# KiCad board launch.kicad_pcb (continued)
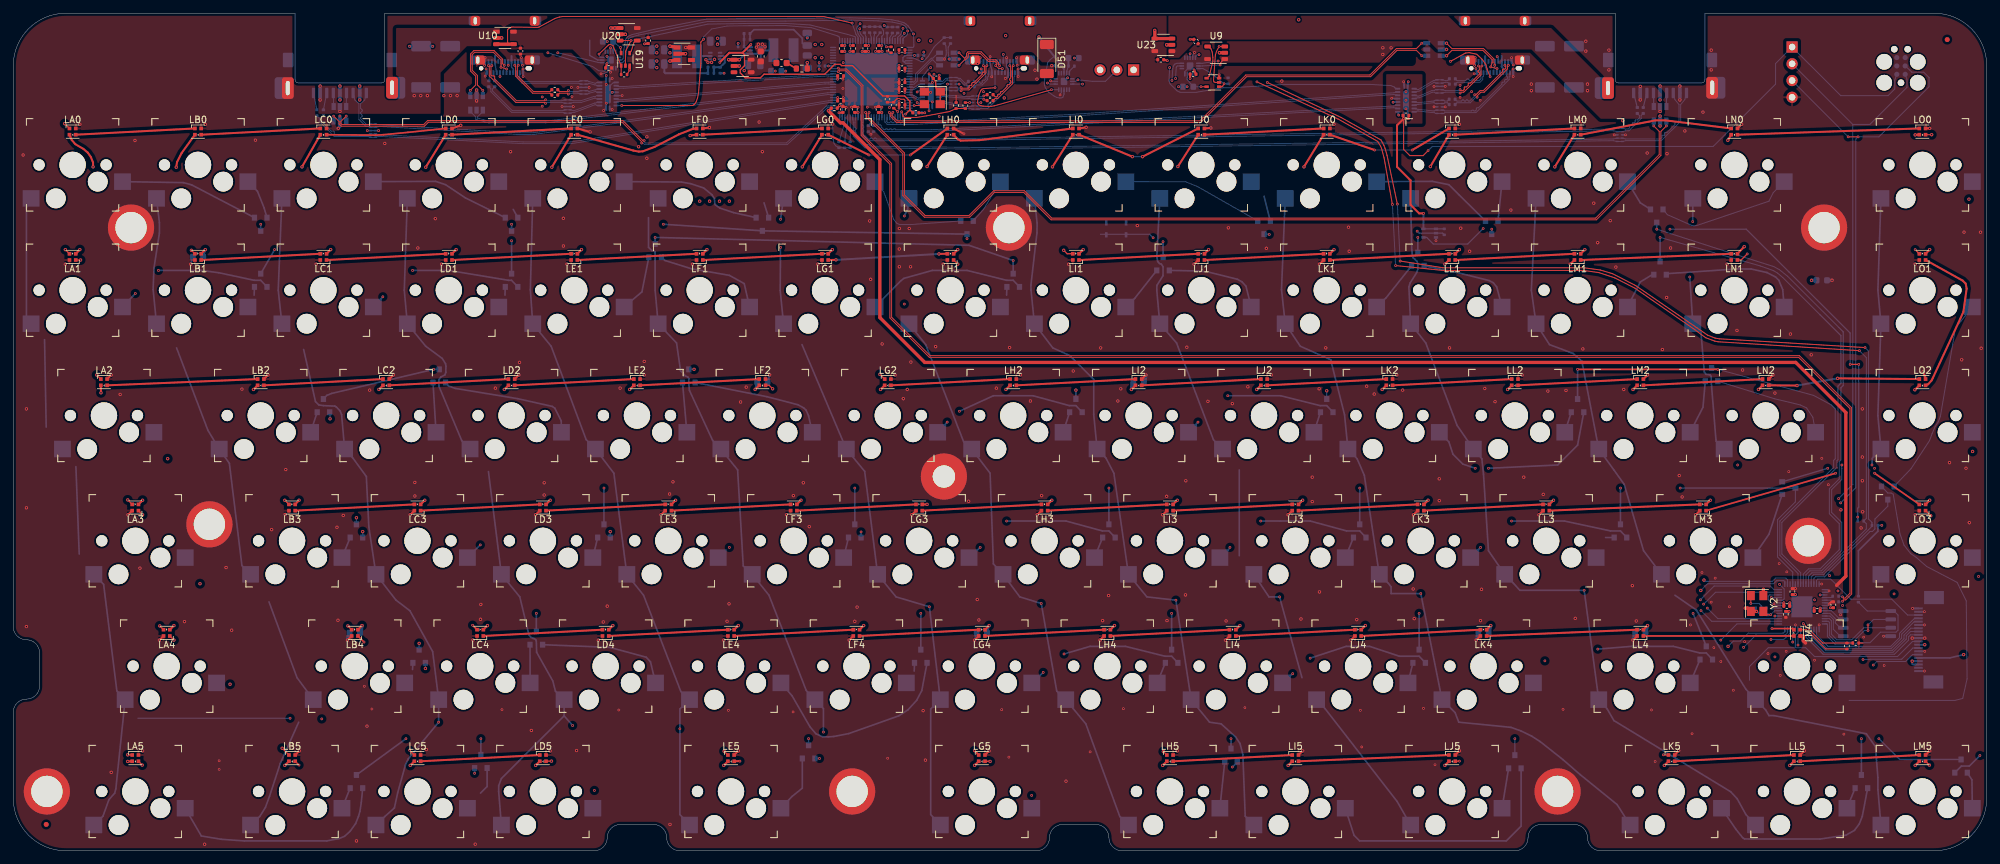
[diagram p0: board, top side]
## Placement (name value [footprint] x y rotation side) (continued)
U24  W25Q16JVSSIQ  [SOIC-8_5.23x5.23mm_P1.27mm]  280.85 34.45 180 bottom
X1  ECS-3225MV-250-BN-TR  [Oscillator_SMD_SeikoEpson_SG8002CE-4Pin_3.2x2.5mm]  139.25 114.15 180 top
Y2  RH100-12.000-18-2030-TR  [Oscillator_SMD_SeikoEpson_SG8002CE-4Pin_3.2x2.5mm]  264.2 37.5 270 top

## Library data of the parts
C1-C3 C5-C24 C28-C31 C36-C43 C51-C58 C63 C74 C75 = -: Description: Unpolarized capacitor; Manufacturer: Generic X7R capacitor
C4 C25-C27 C32-C35 C48-C50 C59-C62 C64-C67 C72 C73 C76 = -: Description: Unpolarized capacitor; Manufacturer: Generic X5R capacitor
C44-C47 = -: Description: Polarized capacitor; Manufacturer: United Chemi-Con
C68-C71 = -: Description: Unpolarized capacitor; Manufacturer: Generic NP0 capacitor
D1-D8 = -: Description: Quad ESD diode Nexperia PUSB3FR4Z; Manufacturer: Nexperia
D9-D50 = -: Description: Dual diode, common cathode on pin 3; Manufacturer: Nexperia
D51 = -: Description: Schottky diode
FID1-FID4 = -: Description: Fiducial Marker
H1-H9 = -: Description: Mounting Hole with connection
J0 J4 J5 = -: Description: USB Full-Featured Type-C Receptacle connector; Manufacturer: Amphenol ICC
J1 = -: Description: Tag-Connect ARM Cortex SWD JTAG connector, 6 pin
J2 J3 = -: Description: USB 3.0 A connector; Manufacturer: CNC Tech
J6 = -: Description: Generic connector, single row, 01x04, script generated (kicad-library-utils/schlib/autogen/connector/)
J7 = -: Description: Generic connectable mounting pin connector, single row, 01x20, script generated (kicad-library-utils/schlib/autogen/connector/); Manufacturer: Jushou
L1 L2 = -: Description: Inductor; Manufacturer: Bourns
LA0-LA5 LB0-LB5 LC0-LC5 LD0-LD5 LE0-LE5 LF0-LF4 LG0-LG5 LH0-LH5 LI0-LI5 LJ0-LJ5 LK0-LK5 LL0-LL5 LM0-LM5 LN0-LN2 LO0-LO3 = -: Description: RGB LED with integrated controller
LOGO1 = -: Description: Mounting Hole without connection
R1 R2 R4-R23 R25-R34 R36-R39 = -: Description: Resistor; Manufacturer: Generic 1% resistor
R3 = -: Description: Resistor; Manufacturer: Generic 5% resistor
SW1 = -: Description: MEC 5E single pole normally-open tactile switch; Manufacturer: G-Switch
SWA0-SWA5 SWB0-SWB5 SWC0-SWC5 SWD0-SWD5 SWE0-SWE5 SWF0-SWF5 SWG0-SWG5 SWH0-SWH5 SWI0-SWI5 SWJ0-SWJ5 SWK0-SWK5 SWL0-SWL5 SWM0-SWM5 SWN0-SWN5 = -: Description: Push button switch, generic, two pins; Manufacturer: Kailh
TP1 = -: Description: Generic connector, single row, 01x03, script generated (kicad-library-utils/schlib/autogen/connector/)
U0 U5 U7 U8 U21 = -: Description: Very low capacitance ESD protection diode, 2 data-line, SOT-23-6; Manufacturer: ST
U1 = -: Description: A microcontroller by Raspberry Pi; Manufacturer: Raspberry Pi
U2 = -: Description: USB 3.1 Gen 2 6 port hub; Manufacturer: Microchip
U3 U6 U15 = -: Description: USB Mux; Manufacturer: NXP
U4 U17 = -: Description: TLV62585 buck regulator 5.5 V 3 A
U9 U10 U16 U20 U23 = -: Description: USB power switch, active high enable, 2A; Manufacturer: Diodes Inc.
U11-U13 = -: Description: PTN5110DHQ USB TCPC; Manufacturer: NXP
U14 U19 U22 = -: Description: AND gate, 2 input single; Manufacturer: Texas Instruments
U18 = -: Description: 250-mA Ultra-Low-Noise Low-IQ LDO, 3.3V, SOT-23; Manufacturer: Texas Instruments
U24 = -: Description: SPI flash, SO-8W, 16 Mb, 3.3 V; Manufacturer: Winbond
X1 = -: Description: HCMOS Crystal Clock Oscillator, 2.5x2.0 mm SMD; Manufacturer: ECS
Y2 = -: Description: Four pin crystal, GND on pins 2 and 4; Manufacturer: Raltron

## Footprints (pads in the part's own frame, mm; a bottom-side part is the same pattern mirrored in y, then rotated)
AFC07-S20FCC-00
  rect 0.3x1.3 smd: 1(-4.75,1.85) 2(-4.25,1.85) 3(-3.75,1.85) 4(-3.25,1.85) 5(-2.75,1.85) 6(-2.25,1.85) 7(-1.75,1.85) 8(-1.25,1.85) 9(-0.75,1.85) 10(-0.25,1.85) 11(0.25,1.85) 12(0.75,1.85) 13(1.25,1.85) 14(1.75,1.85) 15(2.25,1.85) 16(2.75,1.85) 17(3.25,1.85) 18(3.75,1.85) 19(4.25,1.85) 20(4.75,1.85)
  rect 2x3 smd: MP(-6.4,-0.5) MP(6.4,-0.4)
C_0402_1005Metric
  rrect 0.45x0.5 smd: 1(-0.45,0) 2(0.45,0)
C_0603_1608Metric
  rrect 0.9x0.95 smd: 1(-0.775,0) 2(0.775,0)
C_0805_2012Metric
  rrect 0.975x1.4 smd: 1(-0.938,0) 2(0.938,0)
C_0805_2012Metric#2
  rrect 1x1.45 smd: 1(-0.95,0) 2(0.95,0)
CP_Elec_5x3.9
  rrect 3x1.6 smd: 1(-2.2,0) 2(2.2,0)
D_SOD-128
  rrect 1.4x2.1 smd: 1(-2.2,0) 2(2.2,0)
DFN-10_1x2.5mm_P0.5mm
  rrect 0.475x0.2 smd: 1(-0.388,1) 2(-0.388,0.5) 3(-0.388,0) 4(-0.388,-0.5) 5(-0.388,-1) 6(0.388,-1) 7(0.388,-0.5) 8(0.388,0) 9(0.388,0.5) 10(0.388,1)
Fiducial_0.75mm_Mask1.5mm
  round 0.75 smd: (0,0)
GT-TC025D-H0065
  rect 0.4x0.8 smd: 1(-1.5,0.9) 2(1.5,0.9) 3(1.5,-0.9) 4(-1.5,-0.9)
Kailh_socket_MX
  round 1.702 hole 1.702 unplated: (-5.08,0) (5.08,0)
  round 3 hole 3 unplated: (-3.81,-2.54) (2.54,-5.08)
  round 3.988 hole 3.988 unplated: (0,0)
  rect 2.55x2.5 smd: 1(6.29,-5.08) 2(-7.56,-2.54)
L_Bourns-SRN4018
  rect 1.5x3.6 smd: 1(-1.525,0) 2(1.525,0)
LED_SK6805-EC15
  rect 0.55x0.55 smd: 1(-0.475,0.475) 2(-0.475,-0.475) 3(0.475,-0.475) 4(0.475,0.475)
MountingHole
  round 7 hole 4.75: 1(0,0)
MountingHole#2
  round 7 hole 3.4: 1(0,0)
Oscillator_SMD_SeikoEpson_SG8002CE-4Pin_3.2x2.5mm
  rect 1.4x1.2 smd: 1(-1.2,-0.95) 2(1.2,-0.95) 3(1.2,0.95) 4(-1.2,0.95)
PinHeader_1x03_P2.54mm_Vertical
  rect 1.7x1.7 hole 1: 1(0,0)
  oval 1.7x1.7 hole 1: 2(0,-2.54) 3(0,-5.08)
PinHeader_1x04_P2.54mm_Vertical
  rect 1.7x1.7 hole 1: 1(0,0)
  oval 1.7x1.7 hole 1: 2(0,-2.54) 3(0,-5.08) 4(0,-7.62)
QFN-16-1EP_2.6x2.6mm_P0.4mm_EP1.1x1mm
  rrect 0.7x0.23 smd: 1(-1.25,0.8) 2(-1.25,0.4) 3(-1.25,0) 4(-1.25,-0.4) 5(-1.25,-0.8) 9(1.25,-0.8) 10(1.25,-0.4) 11(1.25,0) 12(1.25,0.4) 13(1.25,0.8)
  rrect 0.23x0.7 smd: 6(-0.4,-1.25) 7(0,-1.25) 8(0.4,-1.25) 14(0.4,1.25) 15(0,1.25) 16(-0.4,1.25)
  rrect 1.1x1 smd: 17(0,0)
QFN-20-1EP_2.5x4.5mm_P0.5mm_EP1x3mm
  rrect 0.4x0.65 smd: (0,-0.525) (0,0.525)
  rrect 0.29x0.8 smd: 1(-0.25,2.15) 10(-0.25,-2.15) 11(0.25,-2.15) 20(0.25,2.15)
  rrect 0.8x0.29 smd: 2(-1.25,1.75) 3(-1.25,1.25) 4(-1.25,0.75) 5(-1.25,0.25) 6(-1.25,-0.25) 7(-1.25,-0.75) 8(-1.25,-1.25) 9(-1.25,-1.75) 12(1.25,-1.75) 13(1.25,-1.25) 14(1.25,-0.75) 15(1.25,-0.25) 16(1.25,0.25) 17(1.25,0.75) 18(1.25,1.25) 19(1.25,1.75)
  rrect 0.9x2.9 smd: 21(0,0)
QFN-56-1EP_7x7mm_P0.4mm_EP3.2x3.2mm
  rrect 1.29x1.29 smd: (-0.8,-0.8) (-0.8,0.8) (0.8,-0.8) (0.8,0.8)
  rrect 0.875x0.2 smd: 1(-3.438,2.6) 2(-3.438,2.2) 3(-3.438,1.8) 4(-3.438,1.4) 5(-3.438,1) 6(-3.438,0.6) 7(-3.438,0.2) 8(-3.438,-0.2) 9(-3.438,-0.6) 10(-3.438,-1) 11(-3.438,-1.4) 12(-3.438,-1.8) 13(-3.438,-2.2) 14(-3.438,-2.6) 29(3.438,-2.6) 30(3.438,-2.2) 31(3.438,-1.8) 32(3.438,-1.4) 33(3.438,-1) 34(3.438,-0.6) 35(3.438,-0.2) 36(3.438,0.2) 37(3.438,0.6) 38(3.438,1) 39(3.438,1.4) 40(3.438,1.8) 41(3.438,2.2) 42(3.438,2.6)
  rrect 0.2x0.875 smd: 15(-2.6,-3.438) 16(-2.2,-3.438) 17(-1.8,-3.438) 18(-1.4,-3.438) 19(-1,-3.438) 20(-0.6,-3.438) 21(-0.2,-3.438) 22(0.2,-3.438) 23(0.6,-3.438) 24(1,-3.438) 25(1.4,-3.438) 26(1.8,-3.438) 27(2.2,-3.438) 28(2.6,-3.438) 43(2.6,3.438) 44(2.2,3.438) 45(1.8,3.438) 46(1.4,3.438) 47(1,3.438) 48(0.6,3.438) 49(0.2,3.438) 50(-0.2,3.438) 51(-0.6,3.438) 52(-1,3.438) 53(-1.4,3.438) 54(-1.8,3.438) 55(-2.2,3.438) 56(-2.6,3.438)
  rect 3.2x3.2 smd: 57(0,0)
QFN-100-1EP_12x12mm_P0.4mm_EP8x8mm
  rrect 1.29x1.29 smd: (-3.2,-3.2) (-3.2,-1.6) (-3.2,0) (-3.2,1.6) (-3.2,3.2) (-1.6,-3.2) (-1.6,-1.6) (-1.6,0) (-1.6,1.6) (-1.6,3.2) (0,-3.2) (0,-1.6) (0,0) (0,1.6) (0,3.2) (1.6,-3.2) (1.6,-1.6) (1.6,0) (1.6,1.6) (1.6,3.2) (3.2,-3.2) (3.2,-1.6) (3.2,0) (3.2,1.6) (3.2,3.2)
  rrect 0.925x0.2 smd: 1(-5.787,4.8) 2(-5.787,4.4) 3(-5.787,4) 4(-5.787,3.6) 5(-5.787,3.2) 6(-5.787,2.8) 7(-5.787,2.4) 8(-5.787,2) 9(-5.787,1.6) 10(-5.787,1.2) 11(-5.787,0.8) 12(-5.787,0.4) 13(-5.787,0) 14(-5.787,-0.4) 15(-5.787,-0.8) 16(-5.787,-1.2) 17(-5.787,-1.6) 18(-5.787,-2) 19(-5.787,-2.4) 20(-5.787,-2.8) 21(-5.787,-3.2) 22(-5.787,-3.6) 23(-5.787,-4) 24(-5.787,-4.4) 25(-5.787,-4.8) 51(5.787,-4.8) 52(5.787,-4.4) 53(5.787,-4) 54(5.787,-3.6) 55(5.787,-3.2) 56(5.787,-2.8) 57(5.787,-2.4) 58(5.787,-2) 59(5.787,-1.6) 60(5.787,-1.2) 61(5.787,-0.8) 62(5.787,-0.4) 63(5.787,0) 64(5.787,0.4) 65(5.787,0.8) 66(5.787,1.2) 67(5.787,1.6) 68(5.787,2) 69(5.787,2.4) 70(5.787,2.8) 71(5.787,3.2) 72(5.787,3.6) 73(5.787,4) 74(5.787,4.4) 75(5.787,4.8)
  rrect 0.2x0.925 smd: 26(-4.8,-5.787) 27(-4.4,-5.787) 28(-4,-5.787) 29(-3.6,-5.787) 30(-3.2,-5.787) 31(-2.8,-5.787) 32(-2.4,-5.787) 33(-2,-5.787) 34(-1.6,-5.787) 35(-1.2,-5.787) 36(-0.8,-5.787) 37(-0.4,-5.787) 38(0,-5.787) 39(0.4,-5.787) 40(0.8,-5.787) 41(1.2,-5.787) 42(1.6,-5.787) 43(2,-5.787) 44(2.4,-5.787) 45(2.8,-5.787) 46(3.2,-5.787) 47(3.6,-5.787) 48(4,-5.787) 49(4.4,-5.787) 50(4.8,-5.787) 76(4.8,5.787) 77(4.4,5.787) 78(4,5.787) 79(3.6,5.787) 80(3.2,5.787) 81(2.8,5.787) 82(2.4,5.787) 83(2,5.787) 84(1.6,5.787) 85(1.2,5.787) 86(0.8,5.787) 87(0.4,5.787) 88(0,5.787) 89(-0.4,5.787) 90(-0.8,5.787) 91(-1.2,5.787) 92(-1.6,5.787) 93(-2,5.787) 94(-2.4,5.787) 95(-2.8,5.787) 96(-3.2,5.787) 97(-3.6,5.787) 98(-4,5.787) 99(-4.4,5.787) 100(-4.8,5.787)
  rrect 8x8 smd: 101(0,0)
R_0402_1005Metric
  rrect 0.4x0.5 smd: 1(-0.45,0) 2(0.45,0)
R_0603_1608Metric
  rrect 0.8x0.95 smd: 1(-0.825,0) 2(0.825,0)
SOIC-8_5.23x5.23mm_P1.27mm
  rrect 1.6x0.6 smd: 1(-3.6,1.905) 2(-3.6,0.635) 3(-3.6,-0.635) 4(-3.6,-1.905) 5(3.6,-1.905) 6(3.6,-0.635) 7(3.6,0.635) 8(3.6,1.905)
SOT-23
  rect 0.9x0.8 smd: 1(-1,0.95) 2(-1,-0.95) 3(1,0)
SOT-23-5
  rrect 1x0.6 smd: 1(-1.3,0.95) 2(-1.3,0) 3(-1.3,-0.95) 4(1.3,-0.95) 5(1.3,0.95)
SOT-23-5#2
  rect 1.06x0.65 smd: 1(-1.1,0.95) 2(-1.1,0) 3(-1.1,-0.95) 4(1.1,-0.95) 5(1.1,0.95)
SOT-23-6
  rect 1.06x0.65 smd: 1(-1.1,0.95) 2(-1.1,0) 3(-1.1,-0.95) 4(1.1,-0.95) 6(1.1,0.95)
  rrect 1.06x0.65 smd: 5(1.1,0)
SOT-23-6#2
  rect 1.06x0.65 smd: 1(-1.1,0.95) 2(-1.1,0) 3(-1.1,-0.95) 4(1.1,-0.95) 5(1.1,0) 6(1.1,0.95)
SOT-353_SC-70-5
  rect 0.65x0.4 smd: 1(-0.95,0.65) 2(-0.95,0) 3(-0.95,-0.65) 4(0.95,-0.65) 5(0.95,0.65)
SOT-563
  rrect 0.67x0.3 smd: 1(-0.74,0.5) 2(-0.74,0) 3(-0.74,-0.5) 4(0.74,-0.5) 5(0.74,0) 6(0.74,0.5)
Tag-Connect_TC2030-IDC-FP_2x03_P1.27mm_Vertical
  round 2.375 hole 2.375 unplated: (-2.54,-2.54) (-2.54,2.54) (0.635,-2.54) (0.635,2.54)
  round 0.991 hole 0.991 unplated: (-2.54,0) (2.54,-1.016) (2.54,1.016)
  round 0.787 smd: 1(-1.27,-0.635) 2(-1.27,0.635) 3(0,-0.635) 4(0,0.635) 5(1.27,-0.635) 6(1.27,0.635)
USB3_A_CnC_Tech_1003-002-01100
  rrect 0.5x1.6 smd: 1(-3,5) 2(-1,5) 3(1,5) 4(3,5) 5(4,5) 6(2,5) 7(0,5) 8(-2,5) 9(-4,5)
  rrect 1.8x3.3 smd: 10(-9,4.25) 10(9,4.2)
  rrect 1.8x3.3 hole 0.6x2.18: 10(-7.9,4.25) 10(7.9,4.2)
  rrect 1.6x2.2 smd: 10(-7.85,0) 10(7.85,0)
USB_C_Receptacle_Amphenol_12401610E4-2A
  round 0.65 hole 0.65 unplated: (-3.6,4.36)
  oval 0.95x0.65 hole 0.95x0.65 unplated: (3.6,4.36)
  rect 0.3x0.7 smd: A1(-2.75,5.02) A2(-2.25,5.02) A3(-1.75,5.02) A4(-1.25,5.02) A5(-0.75,5.02) A6(-0.25,5.02) A7(0.25,5.02) A8(0.75,5.02) A9(1.25,5.02) A10(1.75,5.02) A11(2.25,5.02) A12(2.75,5.02) B1(2.5,3.32) B2(2,3.32) B3(1.5,3.32) B4(1,3.32) B5(0.5,3.32) B6(0,3.32) B7(-0.5,3.32) B8(-1,3.32) B9(-1.5,3.32) B10(-2,3.32) B11(-2.5,3.32) B12(-3,3.32)
  rrect 1x1.4 smd: S1(-5,-2.85) S1(-4.8,3.1) S1(4.8,3.1) S1(5,-2.85)
  oval 0.8x1.4 hole 0.5x1.1: S1(-4.49,-2.84) S1(-4.13,3.11) S1(4.13,3.11) S1(4.49,-2.84)
  rrect 1.5x1.5 smd far side: S1(-4.49,-2.84) S1(4.49,-2.84)
  rrect 1.5x1.4 smd far side: S1(-3.75,3.11) S1(3.75,3.11)

## Nets
+1V1: C8.1 C17.1 C18.1 C19.1 C20.1 C21.1 C22.1 C23.1 C24.1 C34.1 C50.1 C68.1 L1.2 R14.1 U2.9 U2.18 U2.25 U2.31 U2.38 U2.55 U2.78 U2.85 U2.93
+3V3: C1.1 C2.1 C3.1 C33.1 C36.1 C37.1 C38.1 C39.1 C40.1 C41.1 C42.1 C43.1 C55.1 C56.1 C57.1 C58.1 C63.1 J1.1 J6.1 R2.1 R5.1 R6.1 R7.1 R23.2 R31.1 R32.1 U1.1 U1.10 U1.22 U1.26 U1.33 U1.42 U1.43 U1.44 U1.48 U1.49 U2.26 U2.43 U2.53 U2.62 U2.67 U2.79 U2.81 U2.82 U2.88 U2.99 U3.1 U3.6 U3.10 U6.1 U6.6 U6.10 U11.3 U11.11 U12.3 U12.11 U13.3 U13.11 U15.1 U15.6 U15.10 U18.5 U22.1 U22.5 U24.8 X1.1 X1.4
+3V6: C35.1 C49.1 C59.1 C60.1 C61.1 C62.1 C64.1 C65.1 C66.1 C67.1 C69.1 J7.17 J7.18 L2.2 LA0.2 LA1.2 LA2.2 LA3.2 LA4.2 LA5.2 LB0.2 LB1.2 LB2.2 LB3.2 LB4.2 LB5.2 LC0.2 LC1.2 LC2.2 LC3.2 LC4.2 LC5.2 LD0.2 LD1.2 LD2.2 LD3.2 LD4.2 LD5.2 LE0.2 LE1.2 LE2.2 LE3.2 LE4.2 LE5.2 LF0.2 LF1.2 LF2.2 LF3.2 LF4.2 LG0.2 LG1.2 LG2.2 LG3.2 LG4.2 LG5.2 LH0.2 LH1.2 LH2.2 LH3.2 LH4.2 LH5.2 LI0.2 LI1.2 LI2.2 LI3.2 LI4.2 LI5.2 LJ0.2 LJ1.2 LJ2.2 LJ3.2 LJ4.2 LJ5.2 LK0.2 LK1.2 LK2.2 LK3.2 LK4.2 LK5.2 LL0.2 LL1.2 LL2.2 LL3.2 LL4.2 LL5.2 LM0.2 LM1.2 LM2.2 LM3.2 LM4.2 LM5.2 LN0.2 LN1.2 LN2.2 LO0.2 LO1.2 LO2.2 LO3.2 R25.1 U18.1 U18.3
/USB/VBUS_DET: R21.2 R22.1 U2.2
/USB/VBUS_MON: R18.2 R28.1 U2.80
GND: C1.2 C2.2 C3.2 C4.2 C5.2 C6.2 C7.2 C8.2 C17.2 C18.2 C19.2 C20.2 C21.2 C22.2 C23.2 C24.2 C25.1 C26.1 C27.1 C32.2 C33.2 C34.2 C35.2 C36.2 C37.2 C38.2 C39.2 C40.2 C41.2 C42.2 C43.2 C44.2 C45.2 C46.2 C47.2 C48.2 C49.2 C50.2 C55.2 C56.2 C57.2 C58.2 C59.2 C60.2 C61.2 C62.2 C63.2 C64.2 C65.2 C66.2 C67.2 C70.2 C71.2 C72.1 C73.1 C74.2 C75.2 D1.3 D1.8 D2.3 D2.8 D3.3 D3.8 D4.3 D4.8 D5.3 D5.8 D6.3 D6.8 D7.3 D7.8 D8.3 D8.8 D51.2 H1.1 H2.1 H3.1 H4.1 H5.1 H6.1 H7.1 H8.1 H9.1 J0.A1 J0.A12 J0.B1 J0.B12 J0.S1 J1.5 J2.4 J2.7 J2.10 J3.4 J3.7 J3.10 J4.A1 J4.A12 J4.B1 J4.B12 J4.S1 J5.A1 J5.A12 J5.B1 J5.B12 J5.S1 J6.4 J7.1 J7.2 J7.6 J7.10 J7.14 J7.20 J7.MP LA0.4 LA1.4 LA2.4 LA3.4 LA4.4 LA5.4 LB0.4 LB1.4 LB2.4 LB3.4 LB4.4 LB5.4 LC0.4 LC1.4 LC2.4 LC3.4 LC4.4 LC5.4 LD0.4 LD1.4 LD2.4 LD3.4 LD4.4 LD5.4 LE0.4 LE1.4 LE2.4 LE3.4 LE4.4 LE5.4 LF0.4 LF1.4 LF2.4 LF3.4 LF4.4 LG0.4 LG1.4 LG2.4 LG3.4 LG4.4 LG5.4 LH0.4 LH1.4 LH2.4 LH3.4 LH4.4 LH5.4 LI0.4 LI1.4 LI2.4 LI3.4 LI4.4 LI5.4 LJ0.4 LJ1.4 LJ2.4 LJ3.4 LJ4.4 LJ5.4 LK0.4 LK1.4 LK2.4 LK3.4 LK4.4 LK5.4 LL0.4 LL1.4 LL2.4 LL3.4 LL4.4 LL5.4 LM0.4 LM1.4 LM2.4 LM3.4 LM4.4 LM5.4 LN0.4 LN1.4 LN2.4 LO0.4 LO1.4 LO2.4 LO3.4 R1.2 R3.2 R4.2 R11.2 R12.2 R13.2 R15.2 R16.2 R17.2 R19.2 R20.2 R22.2 R26.2 R28.2 R29.2 R30.2 R33.2 R34.2 SW1.1 SW1.2 TP1.3 U0.2 U1.19 U1.57 U2.24 U2.101 U3.2 U3.5 U3.11 U3.20 U3.21 U4.1 U5.2 U6.2 U6.5 U6.11 U6.20 U6.21 U7.2 U8.2 U9.2 U10.2 U11.17 U12.5 U12.17 U13.17 U14.3 U15.2 U15.5 U15.11 U15.20 U15.21 U16.2 U17.1 U18.2 U19.3 U20.2 U21.2 U22.3 U23.2 U24.4 X1.2 Y2.2 Y2.4
VBUS: C4.1 C5.1 C6.1 C74.1 C75.1 C76.1 D51.1 J0.A4 J0.A9 J0.B4 J0.B9 R18.1 R21.1 U0.5 U9.5 U10.5 U11.12 U11.15 U12.12 U13.12 U16.4 U16.5 U20.5 U23.5
VCC: C32.1 C48.1 U4.3 U4.4 U16.1 U17.3 U17.4
/D+: R38.1 U2.42
/D-: R39.1 U2.41
/DR+: R38.2 U1.47
/DR-: R39.2 U1.46
/LED_TEN: J7.16 LO0.3
/power/FB1V1: C68.2 R14.2 R15.1 U4.5
/power/FB3V6: C69.2 R25.2 R26.1 U17.5
/power/SW1V1: L1.1 U4.2
/power/SW3V6: L2.1 U17.2
/QD0: U1.53 U24.5
/QD1: U1.55 U24.2
/QD2: U1.54 U24.3
/QD3: U1.51 U24.7
/QSCK: U1.52 U24.6
/SWCLK: J1.4 J6.3 U1.24
/SWDIO: J1.2 J6.2 U1.25
/TENKEY_DET: J7.19
/UC_SCL: R9.2 TP1.1 U1.39 U2.75 U11.8 U12.8 U13.8
/UC_SDA: R10.2 TP1.2 U1.38 U2.76 U11.7 U12.7 U13.7
/USB/AL_D+: U2.28 U8.1
/USB/AL_D-: U2.27 U8.3
/USB/AL_ESD_D+: J3.3 U8.6
/USB/AL_ESD_D-: J3.2 U8.4
/USB/AL_RX+: D6.2 D6.9 J3.6 U2.32
/USB/AL_RX-: D6.1 D6.10 J3.5 U2.33
/USB/AL_TX+: C54.1 D6.5 D6.6 U2.29
/USB/AL_TX-: C53.1 D6.4 D6.7 U2.30
/USB/AL_VBUS: C45.1 J3.1 U8.5 U10.1
/USB/AR_D+: U2.15 U5.1
/USB/AR_D-: U2.14 U5.3
/USB/AR_ESD_D+: J2.3 U5.6
/USB/AR_ESD_D-: J2.2 U5.4
/USB/AR_RX+: D2.2 D2.9 J2.6 U2.19
/USB/AR_RX-: D2.1 D2.10 J2.5 U2.20
/USB/AR_TX+: C52.1 D2.5 D2.6 U2.16
/USB/AR_TX-: C51.1 D2.4 D2.7 U2.17
/USB/AR_VBUS: C44.1 J2.1 U5.5 U23.1
/USB/CL_BYP: C27.2 U13.4 U19.5
/USB/CL_CC1: J5.A5 U13.13
/USB/CL_CC2: J5.B5 U13.14
/USB/CL_D0+: J5.A6 J5.B6 U21.1
/USB/CL_D0-: J5.A7 J5.B7 U21.3
/USB/CL_D+: U2.34 U21.6
/USB/CL_D-: U2.35 U21.4
/USB/CL_EN: U19.4 U20.4
/USB/CL_RX1+: D7.2 D7.9 J5.B11 U15.14
/USB/CL_RX1-: D7.1 D7.10 J5.B10 U15.15
/USB/CL_RX2+: D8.5 D8.6 J5.A11 U15.19
/USB/CL_RX2-: D8.4 D8.7 J5.A10 U15.18
/USB/CL_RX+: U2.39 U15.4
/USB/CL_RX-: U2.40 U15.3
/USB/CL_SEL: U2.51 U15.9
/USB/CL_SRC: R16.1 U13.16 U19.1
/USB/CL_TX1+: C30.1 D7.5 D7.6 U15.12
/USB/CL_TX1-: C28.1 D7.4 D7.7 U15.13
/USB/CL_TX1D+: C30.2 J5.A2
/USB/CL_TX1D-: C28.2 J5.A3
/USB/CL_TX2+: C31.1 D8.1 D8.10 U15.16
/USB/CL_TX2-: C29.1 D8.2 D8.9 U15.17
/USB/CL_TX2D+: C31.2 J5.B3
/USB/CL_TX2D-: C29.2 J5.B2
/USB/CL_TX+: U2.36 U15.8
/USB/CL_TX-: U2.37 U15.7
/USB/CL_VBUS: C47.1 J5.A4 J5.A9 J5.B4 J5.B9 U13.15 U20.1 U21.5
/USB/CR_BYP: C26.2 U12.4 U14.5
/USB/CR_CC1: J4.A5 U12.13
/USB/CR_CC2: J4.B5 U12.14
/USB/CR_D0+: J4.A6 J4.B6 U7.1
/USB/CR_D0-: J4.A7 J4.B7 U7.3
/USB/CR_D+: U2.5 U7.6
/USB/CR_D-: U2.6 U7.4
/USB/CR_EN: U9.4 U14.4
/USB/CR_RX1+: D4.1 D4.10 J4.A11 U6.19
/USB/CR_RX1-: D4.2 D4.9 J4.A10 U6.18
/USB/CR_RX2+: D5.5 D5.6 J4.B10 U6.15
/USB/CR_RX2-: D5.4 D5.7 J4.B11 U6.14
/USB/CR_RX+: U2.11 U6.3
/USB/CR_RX-: U2.10 U6.4
/USB/CR_SEL: U2.73 U6.9
/USB/CR_SRC: R17.1 U12.16 U14.1
/USB/CR_TX1+: C13.1 D4.4 D4.7 U6.17
/USB/CR_TX1-: C15.1 D4.5 D4.6 U6.16
/USB/CR_TX1D+: C15.2 J4.B3
/USB/CR_TX1D-: C13.2 J4.B2
/USB/CR_TX2+: C14.1 D5.2 D5.9 U6.13
/USB/CR_TX2-: C16.1 D5.1 D5.10 U6.12
/USB/CR_TX2D+: C16.2 J4.A2
/USB/CR_TX2D-: C14.2 J4.A3
/USB/CR_TX+: U2.8 U6.7
/USB/CR_TX-: U2.7 U6.8
/USB/CR_VBUS: C46.1 J4.A4 J4.A9 J4.B4 J4.B9 U7.5 U9.1 U12.15
/USB/CS1: R11.1 U2.21
/USB/CS2: R12.1 U2.22
/USB/CS3: R13.1 U2.23
/USB/DP1_CC1: R33.1 U2.12
/USB/DP1_CC2: R34.1 U2.13
/USB/HUB_SCL: R31.2 U2.61
/USB/HUB_SDA: R32.2 U2.3
/USB/PRT_CTL1: U2.60 U9.3 U14.2
/USB/PRT_CTL2: U2.59 U23.3 U23.4
/USB/PRT_CTL3: U2.58 U10.3 U10.4
/USB/PRT_CTL4: U2.57 U19.2 U20.3
/USB/PRT_CTL5: U2.56
/USB/PRT_CTL6: U2.77
/USB/RBIAS: R1.1 U2.100
/USB/SPI_CLK: R29.1 U2.68
/USB/SPI_D0: R19.1 U2.70
/USB/SPI_D1: R30.1 U2.71
/USB/SPI_~{CE}: R20.1 U2.69
/USB/TEST1: R5.2 U2.63
/USB/TEST2: R6.2 U2.64
/USB/TEST3: R7.2 U2.65
/USB/UP_ADDR: R8.1 U11.5
/USB/UP_BYP: C25.2 R8.2 U11.4
/USB/UP_CC1: J0.A5 U11.13
/USB/UP_CC2: J0.B5 U11.14
/USB/UP_D0+: J0.A6 J0.B6 U0.1
/USB/UP_D0-: J0.A7 J0.B7 U0.3
/USB/UP_D1+: U0.6 U2.89
/USB/UP_D1-: U0.4 U2.90
/USB/UP_RX1+: D3.2 D3.9 J0.B11 U3.14
/USB/UP_RX1-: D3.1 D3.10 J0.B10 U3.15
/USB/UP_RX2+: D1.5 D1.6 J0.A11 U3.19
/USB/UP_RX2-: D1.4 D1.7 J0.A10 U3.18
/USB/UP_SEL: U2.74 U3.9
/USB/UP_TX1+: C12.1 D3.4 D3.7 U3.13
/USB/UP_TX1-: C11.1 D3.5 D3.6 U3.12
/USB/UP_TX1D+: C12.2 J0.A3
/USB/UP_TX1D-: C11.2 J0.A2
/USB/UP_TX2+: C9.1 D1.2 D1.9 U3.17
/USB/UP_TX2-: C10.1 D1.1 D1.10 U3.16
/USB/UP_TX2D+: C9.2 J0.B2
/USB/UP_TX2D-: C10.2 J0.B3
/USB/USB_UP_RX+: U2.94 U3.4
/USB/USB_UP_RX-: U2.95 U3.3
/USB/USB_UP_TX+: U2.91 U3.8
/USB/USB_UP_TX-: U2.92 U3.7
/USB/XTALI: U2.98 X1.3
/USB/XTALO: U2.97
/VCORE: C72.2 C73.2 U1.23 U1.45 U1.50
/XIN: C70.1 U1.20 Y2.3
/XOUT: C71.1 R37.2 Y2.1
/XOUT1: R37.1 U1.21
/~{BOOTSW}: R2.2 SW1.3 SW1.4 U22.2
/~{BOOT}: R9.1 R10.1 R36.1 U22.4
/~{QCS}: R36.2 U1.56 U24.1
/~{RESET_USB}: C7.1 R23.1 U2.1 U4.6 U17.6
COLA: SWA0.1 SWA1.1 SWA2.1 SWA3.1 SWA4.1 SWA5.1 U1.15
COLB: SWB0.1 SWB1.1 SWB2.1 SWB3.1 SWB4.1 SWB5.1 U1.14
COLC: SWC0.1 SWC1.1 SWC2.1 SWC3.1 SWC4.1 SWC5.1 U1.13
COLD: J7.15 SWD0.1 SWD1.1 SWD2.1 SWD3.1 SWD4.1 SWD5.1 U1.12
COLE: J7.13 SWE0.1 SWE1.1 SWE2.1 SWE3.1 SWE4.1 SWE5.1 U1.11
COLF: J7.12 SWF0.1 SWF1.1 SWF2.1 SWF3.1 SWF4.1 SWF5.1 U1.8
COLG: SWG0.1 SWG1.1 SWG2.1 SWG3.1 SWG4.1 SWG5.1 U1.16
COLH: SWH0.1 SWH1.1 SWH2.1 SWH3.1 SWH4.1 SWH5.1 U1.17
COLI: SWI0.1 SWI1.1 SWI2.1 SWI3.1 SWI4.1 SWI5.1 U1.27
COLJ: SWJ0.1 SWJ1.1 SWJ2.1 SWJ3.1 SWJ4.1 SWJ5.1 U1.28
COLK: SWK0.1 SWK1.1 SWK2.1 SWK3.1 SWK4.1 SWK5.1 U1.29
COLL: SWL0.1 SWL1.1 SWL2.1 SWL3.1 SWL4.1 SWL5.1 U1.30
COLM: J7.11 SWM0.1 SWM1.1 SWM2.1 SWM3.1 SWM4.1 SWM5.1 U1.9
COLN: SWN0.1 SWN1.1 SWN2.1 SWN3.1 SWN4.1 SWN5.1 U1.37
LED: R4.1 R27.2 U1.7
ROW0: D9.3 D15.3 D21.3 D27.3 D33.3 D39.3 D45.3 U1.36
ROW1: D10.3 D16.3 D22.3 D28.3 D34.3 D40.3 D46.3 U1.35
ROW2: D11.3 D17.3 D23.3 D29.3 D35.3 D41.3 D47.3 U1.34
ROW3: D12.3 D18.3 D24.3 D30.3 D36.3 D42.3 D48.3 U1.32
ROW4: D13.3 D19.3 D25.3 D31.3 D37.3 D43.3 D49.3 U1.40
ROW5: D14.3 D20.3 D26.3 D32.3 D38.3 D44.3 D50.3 U1.18
ROW6: J7.3 U1.41
ROW7: J7.4 U1.2
ROW8: J7.5 U1.3
ROW9: J7.7 U1.4
ROW10: J7.8 U1.5
ROW11: J7.9 U1.6
Net-(C76-Pad2): C76.2 R3.1
Net-(D9-A-Pad1): D9.1 SWA0.2
Net-(D9-A-Pad2): D9.2 SWB0.2
Net-(D10-A-Pad1): D10.1 SWA1.2
Net-(D10-A-Pad2): D10.2 SWB1.2
Net-(D11-A-Pad1): D11.1 SWA2.2
Net-(D11-A-Pad2): D11.2 SWB2.2
Net-(D12-A-Pad1): D12.1 SWA3.2
Net-(D12-A-Pad2): D12.2 SWB3.2
Net-(D13-A-Pad1): D13.1 SWA4.2
Net-(D13-A-Pad2): D13.2 SWB4.2
Net-(D14-A-Pad1): D14.1 SWA5.2
Net-(D14-A-Pad2): D14.2 SWB5.2
Net-(D15-A-Pad1): D15.1 SWM0.2
Net-(D15-A-Pad2): D15.2 SWN0.2
Net-(D16-A-Pad1): D16.1 SWN1.2
Net-(D16-A-Pad2): D16.2 SWM1.2
Net-(D17-A-Pad1): D17.1 SWN2.2
Net-(D17-A-Pad2): D17.2 SWM2.2
Net-(D18-A-Pad1): D18.1 SWM3.2
Net-(D18-A-Pad2): D18.2 SWN3.2
Net-(D19-A-Pad1): D19.1 SWM4.2
Net-(D19-A-Pad2): D19.2 SWN4.2
Net-(D20-A-Pad1): D20.1 SWM5.2
Net-(D20-A-Pad2): D20.2 SWN5.2
Net-(D21-A-Pad1): D21.1 SWK0.2
Net-(D21-A-Pad2): D21.2 SWL0.2
Net-(D22-A-Pad1): D22.1 SWL1.2
Net-(D22-A-Pad2): D22.2 SWK1.2
Net-(D23-A-Pad1): D23.1 SWK2.2
Net-(D23-A-Pad2): D23.2 SWL2.2
Net-(D24-A-Pad1): D24.1 SWK3.2
Net-(D24-A-Pad2): D24.2 SWL3.2
Net-(D25-A-Pad1): D25.1 SWK4.2
Net-(D25-A-Pad2): D25.2 SWL4.2
Net-(D26-A-Pad1): D26.1 SWK5.2
Net-(D26-A-Pad2): D26.2 SWL5.2
Net-(D27-A-Pad1): D27.1 SWI0.2
Net-(D27-A-Pad2): D27.2 SWJ0.2
Net-(D28-A-Pad1): D28.1 SWJ1.2
Net-(D28-A-Pad2): D28.2 SWI1.2
Net-(D29-A-Pad1): D29.1 SWI2.2
Net-(D29-A-Pad2): D29.2 SWJ2.2
Net-(D30-A-Pad1): D30.1 SWI3.2
Net-(D30-A-Pad2): D30.2 SWJ3.2
Net-(D31-A-Pad1): D31.1 SWI4.2
Net-(D31-A-Pad2): D31.2 SWJ4.2
Net-(D32-A-Pad1): D32.1 SWI5.2
Net-(D32-A-Pad2): D32.2 SWJ5.2
Net-(D33-A-Pad1): D33.1 SWG0.2
Net-(D33-A-Pad2): D33.2 SWH0.2
Net-(D34-A-Pad1): D34.1 SWG1.2
Net-(D34-A-Pad2): D34.2 SWH1.2
Net-(D35-A-Pad1): D35.1 SWG2.2
Net-(D35-A-Pad2): D35.2 SWH2.2
Net-(D36-A-Pad1): D36.1 SWG3.2
Net-(D36-A-Pad2): D36.2 SWH3.2
Net-(D37-A-Pad1): D37.1 SWG4.2
Net-(D37-A-Pad2): D37.2 SWH4.2
Net-(D38-A-Pad1): D38.1 SWG5.2
Net-(D38-A-Pad2): D38.2 SWH5.2
Net-(D39-A-Pad1): D39.1 SWE0.2
Net-(D39-A-Pad2): D39.2 SWF0.2
Net-(D40-A-Pad1): D40.1 SWF1.2
Net-(D40-A-Pad2): D40.2 SWE1.2
Net-(D41-A-Pad1): D41.1 SWF2.2
Net-(D41-A-Pad2): D41.2 SWE2.2
Net-(D42-A-Pad1): D42.1 SWE3.2
Net-(D42-A-Pad2): D42.2 SWF3.2
Net-(D43-A-Pad1): D43.1 SWE4.2
Net-(D43-A-Pad2): D43.2 SWF4.2
Net-(D44-A-Pad1): D44.1 SWF5.2
Net-(D44-A-Pad2): D44.2 SWE5.2
Net-(D45-A-Pad1): D45.1 SWC0.2
Net-(D45-A-Pad2): D45.2 SWD0.2
Net-(D46-A-Pad1): D46.1 SWC1.2
Net-(D46-A-Pad2): D46.2 SWD1.2
Net-(D47-A-Pad1): D47.1 SWD2.2
Net-(D47-A-Pad2): D47.2 SWC2.2
Net-(D48-A-Pad1): D48.1 SWC3.2
Net-(D48-A-Pad2): D48.2 SWD3.2
Net-(D49-A-Pad1): D49.1 SWD4.2
Net-(D49-A-Pad2): D49.2 SWC4.2
Net-(D50-A-Pad1): D50.1 SWC5.2
Net-(D50-A-Pad2): D50.2 SWD5.2
Net-(J2-SSTX+): C52.2 J2.9
Net-(J2-SSTX-): C51.2 J2.8
Net-(J3-SSTX+): C54.2 J3.9
Net-(J3-SSTX-): C53.2 J3.8
Net-(LA0-DIN): LA0.1 LA1.3
Net-(LA0-DOUT): LA0.3 LB0.1
Net-(LA1-DIN): LA1.1 LB1.3
Net-(LA2-DIN): LA2.1 LA3.3
Net-(LA2-DOUT): LA2.3 LB2.1
Net-(LA3-DIN): LA3.1 LB3.3
Net-(LA4-DIN): LA4.1 LB4.3
Net-(LA4-DOUT): LA4.3 LA5.1
Net-(LA5-DOUT): LA5.3 LB5.1
Net-(LB0-DOUT): LB0.3 LC0.1
Net-(LB1-DIN): LB1.1 LC1.3
Net-(LB2-DOUT): LB2.3 LC2.1
Net-(LB3-DIN): LB3.1 LC3.3
Net-(LB4-DIN): LB4.1 LC4.3
Net-(LB5-DOUT): LB5.3 LC5.1
Net-(LC0-DOUT): LC0.3 LD0.1
Net-(LC1-DIN): LC1.1 LD1.3
Net-(LC2-DOUT): LC2.3 LD2.1
Net-(LC3-DIN): LC3.1 LD3.3
Net-(LC4-DIN): LC4.1 LD4.3
Net-(LC5-DOUT): LC5.3 LD5.1
Net-(LD0-DOUT): LD0.3 LE0.1
Net-(LD1-DIN): LD1.1 LE1.3
Net-(LD2-DOUT): LD2.3 LE2.1
Net-(LD3-DIN): LD3.1 LE3.3
Net-(LD4-DIN): LD4.1 LE4.3
Net-(LD5-DOUT): LD5.3 LE5.1
Net-(LE0-DOUT): LE0.3 LF0.1
Net-(LE1-DIN): LE1.1 LF1.3
Net-(LE2-DOUT): LE2.3 LF2.1
Net-(LE3-DIN): LE3.1 LF3.3
Net-(LE4-DIN): LE4.1 LF4.3
Net-(LE5-DOUT): LE5.3 LG5.1
Net-(LF0-DOUT): LF0.3 LG0.1
Net-(LF1-DIN): LF1.1 LG1.3
Net-(LF2-DOUT): LF2.3 LG2.1
Net-(LF3-DIN): LF3.1 LG3.3
Net-(LF4-DIN): LF4.1 LG4.3
Net-(LG0-DOUT): LG0.3 LH0.1
Net-(LG1-DIN): LG1.1 LH1.3
Net-(LG2-DOUT): LG2.3 LH2.1
Net-(LG3-DIN): LG3.1 LH3.3
Net-(LG4-DIN): LG4.1 LH4.3
Net-(LG5-DOUT): LG5.3 LH5.1
Net-(LH0-DOUT): LH0.3 LI0.1
Net-(LH1-DIN): LH1.1 LI1.3
Net-(LH2-DOUT): LH2.3 LI2.1
Net-(LH3-DIN): LH3.1 LI3.3
Net-(LH4-DIN): LH4.1 LI4.3
Net-(LH5-DOUT): LH5.3 LI5.1
Net-(LI0-DOUT): LI0.3 LJ0.1
Net-(LI1-DIN): LI1.1 LJ1.3
Net-(LI2-DOUT): LI2.3 LJ2.1
Net-(LI3-DIN): LI3.1 LJ3.3
Net-(LI4-DIN): LI4.1 LJ4.3
Net-(LI5-DOUT): LI5.3 LJ5.1
Net-(LJ0-DOUT): LJ0.3 LK0.1
Net-(LJ1-DIN): LJ1.1 LK1.3
Net-(LJ2-DOUT): LJ2.3 LK2.1
Net-(LJ3-DIN): LJ3.1 LK3.3
Net-(LJ4-DIN): LJ4.1 LK4.3
Net-(LJ5-DOUT): LJ5.3 LK5.1
Net-(LK0-DOUT): LK0.3 LL0.1
Net-(LK1-DIN): LK1.1 LL1.3
Net-(LK2-DOUT): LK2.3 LL2.1
Net-(LK3-DIN): LK3.1 LL3.3
Net-(LK4-DIN): LK4.1 LL4.3
Net-(LK5-DOUT): LK5.3 LL5.1
Net-(LL0-DOUT): LL0.3 LM0.1
Net-(LL1-DIN): LL1.1 LM1.3
Net-(LL2-DOUT): LL2.3 LM2.1
Net-(LL3-DIN): LL3.1 LM3.3
Net-(LL4-DIN): LL4.1 LM4.3
Net-(LL5-DOUT): LL5.3 LM5.1
Net-(LM0-DOUT): LM0.3 LN0.1
Net-(LM1-DIN): LM1.1 LN1.3
Net-(LM2-DOUT): LM2.3 LN2.1
Net-(LM3-DIN): LM3.1 LO3.3
Net-(LM4-DIN): LM4.1 R27.1
Net-(LM5-DOUT): LM5.3 LO3.1
Net-(LN0-DOUT): LN0.3 LO0.1
Net-(LN1-DIN): LN1.1 LO1.3
Net-(LN2-DOUT): LN2.3 LO2.1
Net-(LO1-DIN): LO1.1 LO2.3

Pads without a net: J0 A8 B8; J1 3 6; J4 A8 B8; J5 A8 B8; U1 31; U2 4 44 45 46 47 48 49 50 52 54 66 72 83 84 86 87 96; U11 1 2 6 9 10 16; U12 1 2 6 9 10; U13 1 2 5 6 9 10; U16 3; U18 4

## Via types
v1: diameter 0.5, hole 0.25, Top to Bottom, 473 vias
v2: diameter 0.4, hole 0.2, Top to Bottom, 486 vias

## Routing (per net, layer and track width the routed paths; a pad name or vN(x,y) marks a point on that pad's centre or on a via; arc(x,y) is an arc through that point)
+1V1: length 21.2
  Top w0.2: C18.1 v2(135.1,121) ; C22.1 v2(126.8,122.1) ; C23.1 v2(135.1,118.2)
  Top w0.3: C21.1 v2(135.1,115) ; C19.1 v2(124.9,117) ; C20.1 v2(124.9,114.2) ; C24.1 v2(128,111.95) ; C17.1 v2(125.1,111.9) ; C8.1 v2(131.6,111.95)
  Bottom w0.2: U2.55 v2(126.8,122.1) ; U2.31 v2(124.9,114.2) ; U2.18 v2(128,111.95) ; U2.38 v2(124.9,117) ; v2(125.1,111.9) 125.2,111.7 U2.25 ; U2.85 v2(135.1,118.2) ; U2.9 v2(131.6,111.95) ; U2.93 v2(135.1,115) ; U2.78 v2(135.1,121)
  Bottom w0.25: 119.55,122.4 119.55,123.2 118.25,124.5 112.22,124.5 C68.1 R14.1
  vias: v1(121.5,122.25) v1(121.5,120.25) v1(122.5,122.25) v1(122.5,120.25)
+3V3: length 474.7
  Top w0.15: C41.1 135.1,113.8 134.95,113.95 134.5,113.95 134.25,114.05 134,114.05 133.82,113.98 133.64,113.81 R32.1 R23.2 ; v2(210.65,111) 210.65,106.35 211.6,105.4 213.6,105.4 v2(214.35,106.15)
  Top w0.2: C38.1 v2(131.6,122.1) ; X1.4 X1.1 139.8,115.7 139.74,116.59 139.48,117.03 v2(138.75,117.8)
  Top w0.25: C58.1 v2(210.65,111) ; C41.1 v2(135.1,112.6)
  Top w0.3: C36.1 v2(129.6,122.1) ; C2.1 275.45,37.75 v2(275.1,37.4) ; C40.1 v2(123.5,112.2) ; C43.1 v2(135.1,117) ; v2(210.65,111) 209.65,110 209.65,103.7 211.7,101.65 211.7,97.95 213,96.65 v2(213.65,96.65) ; C63.1 v2(178.3,117.1) ; C37.1 v2(126,122.1)
  Top w0.4: C3.1 v2(270,39.75)
  Top w0.5: v2(123.5,112.2) 125.32,110.38 125.72,110.38 131.3,104.8 131.3,80.85 138.1,74.05 270.05,74.05 277.65,66.45 277.65,41.65 276.25,40.25 ; U18.5 v1(101.9,121.8)
  In1.Cu w0.5: v2(126,122.1) 126,122.95 ; v1(101.9,121.8) 101.9,122.55 ; v1(155.4,123.4) 154.35,124.45 140.4,124.45 ; v2(135.1,117) 136,117 ; v2(135.1,112.6) 135.9,112.6
  In2.Cu w0.5: v2(210.65,116.6) 204.02,117.67 182.85,118.45 179.2,119.9 178.3,119.95 ; 178.3,119.95 v2(178.3,117.1) ; 178.3,119.95 v2(178.3,120.85) 174.5,121.5 163.19,123.19 v1(155.4,123.4)
  Bottom w0.15: U1.1 v2(273.6,34.25) ; v2(266.75,37.45) 266.5,37.45 265.9,38.05 265.9,38.6 266.1,38.8 U1.26 ; 131.6,123.5 131.85,123.75 131.85,124.25 131.74,124.59 R7.1 R31.1 ; 157.7,120.45 157.02,119.88 156.72,119.48 156.25,116.85 156.22,116.33 156.23,116.12 156.38,115.68 156.9,115 157.72,114.42 158.12,114.22 158.57,114.13 158.88,114.17 159.03,114.27 159.2,114.75 ; v2(214.35,106.15) 215,106.8 257.55,106.8 267,116.25 267,119.37 J6.1 276.87,114.5 284.05,114.5 285.05,115.5 285.05,116.85 J1.1 ; C63.1 v2(178.3,117.1) ; U12.11 v2(178.3,120.85)
  Bottom w0.18: U22.5 U22.1 R2.1
  Bottom w0.2: U2.26 v2(123.5,112.2) ; v2(131.6,122.1) U2.67 131.6,123.5 ; U2.62 v2(129.6,122.1) ; U11.11 159.2,114.75 ; U2.99 v2(135.1,112.6) ; 135,119.6 135.2,119.8 135.81,119.8 ; 135,119.6 135.2,119.4 135.81,119.4 ; 135,119.6 134.8,119.75 134.8,120.25 135.05,120.5 135.3,120.6 U2.79 v2(136.55,120.6) C42.1 ; U1.48 274.9,37.6 v2(275.1,37.4) 274.9,37.2 U1.49 ; U1.10 v2(270,34.25) ; U1.42 v2(274,40.45) ; U1.43 274.9,39.6 v2(275.1,39.4) 274.9,39.2 U1.44 ; U3.1 v2(138.75,112.2) ; C39.1 v2(123.5,119) U2.43 ; U13.3 v2(90.5,121.75) ; U2.53 v2(126,122.1) ; U2.88 v2(135.1,117) ; v2(136.95,115.05) 137.25,115.25 U3.6 ; U11.3 159.2,118.55 ; v2(266.75,37.45) 267,37.2 U1.22 ; U15.6 v2(92.25,114.5) ; U13.11 v2(90.5,118.05) ; U1.33 v2(270,39.75)
  Bottom w0.25: U6.6 209.25,114.05 v2(208.85,114.1) ; U15.10 v2(90.75,112.4) ; U3.10 v2(138.75,117.8) ; U6.1 v2(210.65,111) ; U6.10 v2(210.65,116.6) ; U15.1 v2(90.75,117.1)
  Bottom w0.3: 159.2,118.55 C56.1 v1(155.4,123.4) ; C33.1 v2(117.04,118.22) ; U22.5 v2(213.65,96.65)
  Bottom w0.4: v2(276.85,35.78) 276.85,36.33
